# Altium PCB DM3370.PcbDoc (part 7 of 9)
Units mm, origin at the board's own origin, x right, y up, seen from the top; angles counter-clockwise.
Board outline 114.8 x 103.43 mm, 6 copper layers (Top Copper, GND 1, PWR, Signal Layer 1, GND 2, Bottom Copper), stack 1.599 mm thick; 540 components, 427 nets, 2136 pads, 1770 vias.
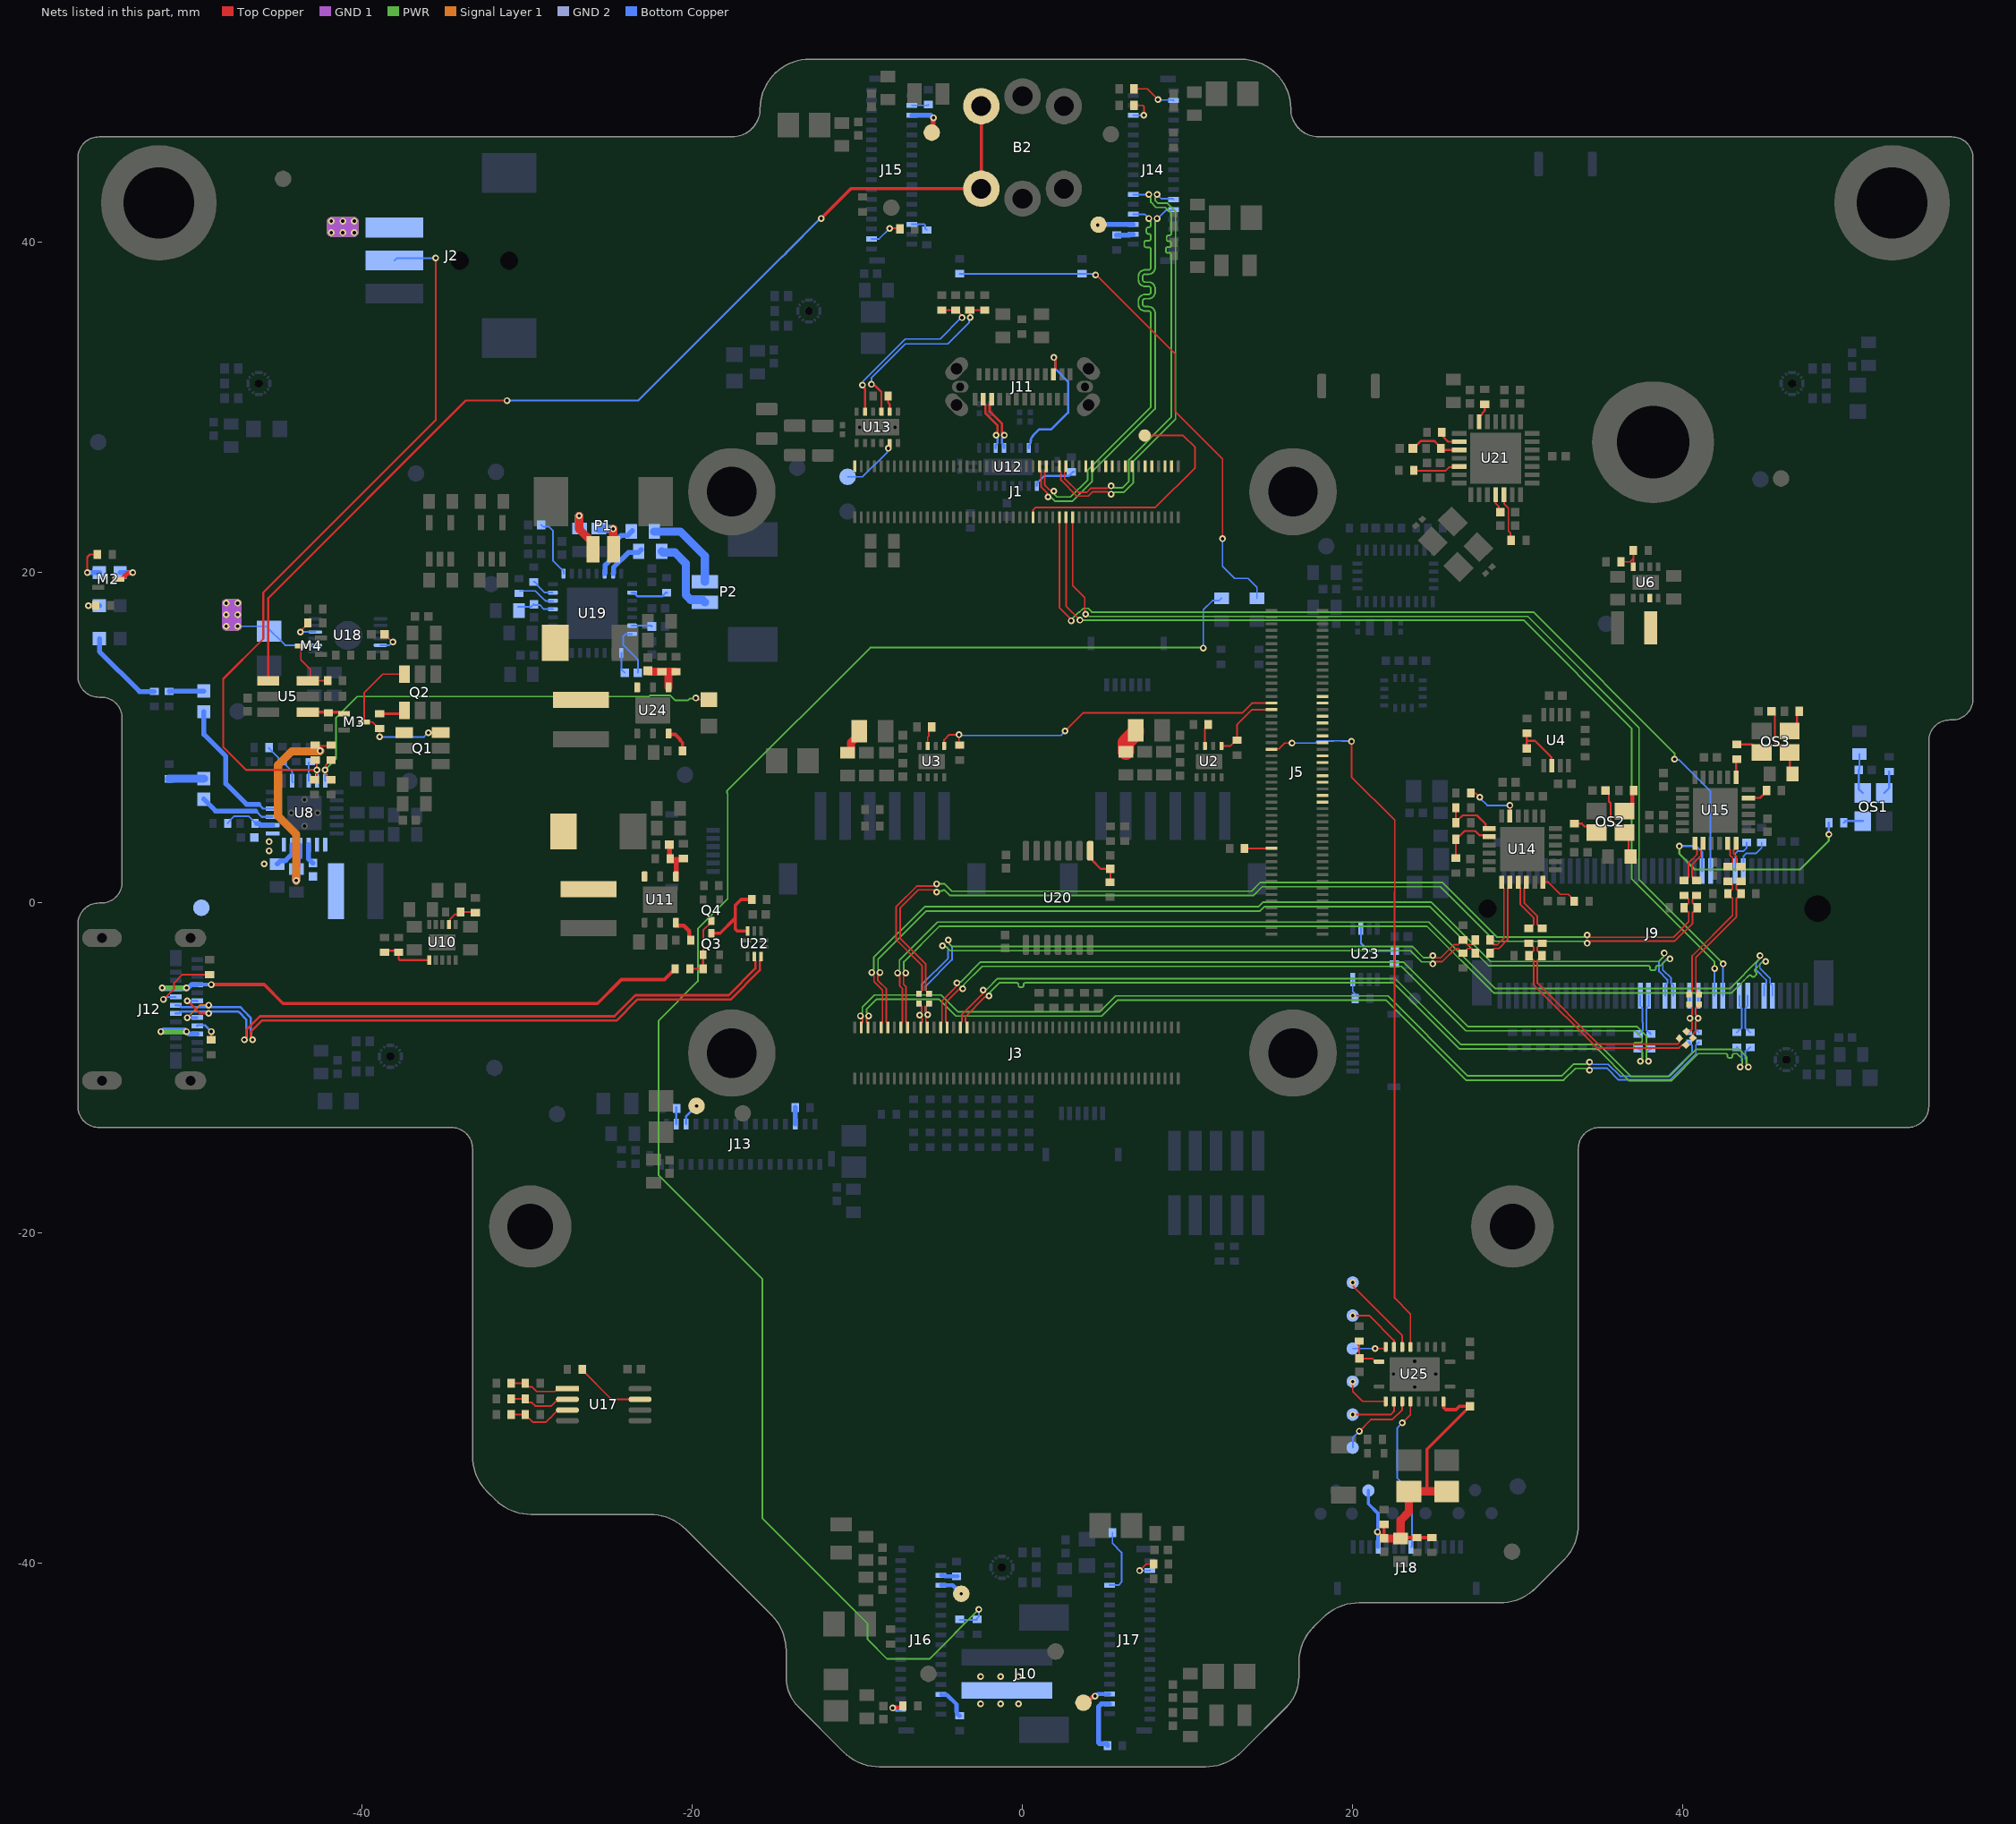
[diagram p11: the nets of this part, all layers, seen from the top]

## Via types
v1: diameter 0.406, hole 0.203, Top Copper to Bottom Copper, tented both sides, 1733 vias
v2: diameter 0.508, hole 0.254, Top Copper to Bottom Copper, 16 vias
v3: diameter 0.5, hole 0.2, Top Copper to Bottom Copper, 13 vias
v4: diameter 0.6, hole 0.3, Top Copper to Bottom Copper, 6 vias
v5: diameter 0.406, hole 0.203, Top Copper to Bottom Copper, 2 vias

## Nets (pads, with @x,y where several pads share a name; then routed paths per layer and width w, separated by ;. In a path a pad name is that pad's centre, name@x,y a point inside that pad or via, vN(x,y) a via of type N, cw(c..) or ccw(c..) an arc to the next point about the centre after c; other vN are vias at no path point) (continued)
MIPI_RX5_D0_N: J1.59 J14.26 | length 26.1
  Top Copper w0.101: J1.59@1.432,26.439 1.432,26.179 1.346,26.093 1.346,25.292 1.646,24.992 1.835,24.992 v1(1.89,24.936)
  PWR w0.101: v1(1.89,24.936) 1.949,24.878 1.949,24.712 2.08,24.581 2.911,24.581 3.95,25.62 3.95,26.2 7.772,30.022 7.772,35.523 7.772,35.704 ccw(c7.627,35.704) 7.627,35.848 7.424,35.848 cw(c7.424,36.254) 7.019,36.254 7.019,36.446 cw(c7.424,36.446) 7.424,36.851 7.628,36.851 ccw(c7.628,36.996) 7.773,36.996 7.773,37.188 ccw(c7.628,37.188) 7.628,37.333 7.424,37.333 cw(c7.424,37.738) 7.019,37.738 7.019,37.931 cw(c7.424,37.931) 7.424,38.336 7.627,38.336 ccw(c7.627,38.481) 7.772,38.481 7.772,39.512 7.772,39.529 7.772,39.579 ccw(c7.65,39.579) 7.65,39.701 7.493,39.701 cw(c7.493,39.822) 7.372,39.822 7.372,39.984 cw(c7.493,39.984) 7.493,40.106 7.65,40.106 ccw(c7.65,40.227) 7.772,40.227 7.772,40.39 ccw(c7.65,40.39) 7.65,40.511 7.623,40.511 cw(c7.623,40.633) 7.502,40.633 7.502,40.795 cw(c7.623,40.795) 7.623,40.916 7.65,40.916 ccw(c7.65,41.038) 7.772,41.038 7.772,41.25 7.655,41.367 v1(7.655,41.45)
  Bottom Copper w0.101: J14.26@6.7,41.7 7.403,41.7 7.653,41.45 v1(7.655,41.45)
MIPI_RX5_D0_P: J1.57 J14.25 | length 26.3
  Top Copper w0.101: J1.57@1.032,26.439 1.032,26.179 1.118,26.093 1.118,25.197 1.485,24.83 1.485,24.641 v1(1.54,24.586)
  PWR w0.101: v1(1.54,24.586) 1.599,24.528 1.764,24.528 1.972,24.32 3.019,24.32 4.211,25.512 4.211,26.092 8.033,29.914 8.033,35.523 8.033,35.704 ccw(c7.627,35.704) 7.627,36.109 7.424,36.109 cw(c7.424,36.254) 7.28,36.254 7.28,36.446 cw(c7.424,36.446) 7.424,36.59 7.628,36.59 ccw(c7.628,36.996) 8.034,36.996 8.034,37.188 ccw(c7.628,37.188) 7.628,37.594 7.424,37.594 cw(c7.424,37.738) 7.28,37.738 7.28,37.931 cw(c7.424,37.931) 7.424,38.075 7.627,38.075 ccw(c7.627,38.481) 8.033,38.481 8.033,39.512 8.033,41.25 8.15,41.367 v1(8.15,41.45) v1@8.195,41.495
  Bottom Copper w0.101: v1(8.15,41.45) 8.184,41.45 8.673,41.939 9.097,41.939 J14.25@9.15,41.993
MIPI_RX5_D1_N: J1.65 J14.22 | length 26.5
  Top Copper w0.101: J1.65@2.632,26.439 2.632,26.179 2.546,26.093 2.546,25.7 3.38,24.866 3.894,24.866 4.143,25.115 5.152,25.115 5.285,25.249 v1(5.364,25.249)
  PWR w0.101: v1(5.364,25.249) 5.446,25.249 5.563,25.132 6.033,25.132 6.439,25.538 6.439,26.839 9.01,29.41 9.01,39.203 9.01,39.254 ccw(c8.904,39.254) 8.904,39.36 8.785,39.36 cw(c8.785,39.466) 8.679,39.466 8.679,39.608 cw(c8.785,39.608) 8.785,39.714 8.904,39.714 ccw(c8.904,39.821) 9.01,39.821 9.01,39.962 ccw(c8.904,39.962) 8.904,40.069 8.832,40.069 cw(c8.832,40.175) 8.725,40.175 8.725,40.317 cw(c8.832,40.317) 8.832,40.423 8.904,40.423 ccw(c8.904,40.529) 9.01,40.529 9.01,40.785 9.01,41.755 8.643,42.121 8.088,42.121 7.772,42.437 7.772,42.7 7.655,42.817 v1(7.655,42.9)
  Bottom Copper w0.101: J14.22@6.7,42.885 6.715,42.9 v1(7.655,42.9)
MIPI_RX5_D1_P: J1.63 J14.23 | length 26.6
  Top Copper w0.101: J1.63@2.232,26.439 2.232,26.179 2.318,26.093 2.318,25.606 3.285,24.638 3.988,24.638 4.237,24.887 5.152,24.887 5.285,24.754 v1(5.364,24.754)
  PWR w0.101: v1(5.364,24.754) 5.446,24.754 5.563,24.871 6.141,24.871 6.7,25.43 6.7,26.731 9.271,29.302 9.271,41.863 8.751,42.382 8.196,42.382 8.033,42.545 8.033,42.7 8.15,42.817 v1(8.15,42.9)
  Bottom Copper w0.101: v1(8.15,42.9) 8.404,42.646 9.097,42.646 J14.23@9.15,42.593
MIPI_TX0_C_N: J1.85
MIPI_TX0_C_P: J1.83
MIPI_TX0_D0_N: J1.73
MIPI_TX0_D0_P: J1.71
MIPI_TX0_D1_N: J1.79
MIPI_TX0_D1_P: J1.77
MIPI_TX1_D0_N: J1.91
MIPI_TX1_D0_P: J1.89
MIPI_TX1_D1_N: J1.97
MIPI_TX1_D1_P: J1.95
MIPI_TX2_C_N: J5.41
MIPI_TX2_C_P: J5.39
MIPI_TX2_D0_N: J5.29
MIPI_TX2_D0_P: J5.27
MIPI_TX2_D1_N: J5.35
MIPI_TX2_D1_P: J5.33
MIPI_TX3_C_N: J5.59
MIPI_TX3_C_P: J5.57
MIPI_TX3_D0_N: J5.47
MIPI_TX3_D0_P: J5.45
MIPI_TX3_D1_N: J5.53
MIPI_TX3_D1_P: J5.51
NetB2_1: B2.1 B2.2 U5.1 | length 63.5
  Top Copper w0.127: U5.1@-45.7,13.45 -45.7,18.45 -33.73,30.42 v1(-31.233,30.42)
  Top Copper w0.2: v1(-12.2,41.45) -10.4,43.25 B2.2@-2.5,43.25 B2.1@-2.5,48.25
  Bottom Copper w0.127: v1(-31.233,30.42) -23.28,30.42 -14.568,39.132 -14.547,39.132 -14.332,39.347 -14.332,39.368 v1@-12.225,41.475
NetC7_2: C7.2 R23.1 | length 1.5
  Top Copper w1: R23.1@6.25,9.15 6.25,9.7 6.85,10.3 C7.2@6.85,10.45
NetC12_2: C12.2 R26.1 | length 1.6
  Top Copper w0.5: R26.1@-10.6,9.1 -10.5,9.1 -10.4,9.2 -10.4,9.7 -9.9,10.2 C12.2@-9.9,10.4
NetC19_2: C19.2 FB20.2 OS1.4 | length 2.5
  Bottom Copper w0.127: FB20.2@50.7,9.01 50.7,8.1 C19.2@50.65,8.05 50.65,6.9 OS1.4@50.9,6.65
NetC22_2: C22.2 R51.1 U4.6 | length 3.3
  Top Copper w0.127: C22.2@30.55,9.35 30.55,9.807 ; R51.1@30.55,10.263 30.55,9.807 ; U4.6@32.075,8.3 32.034,8.341 32.034,8.816 31.043,9.807 30.55,9.807
NetC41_2: C41.2 R53.1 R56.2 U11.4 | length 2.5
  Top Copper w0.3: C41.2@-21.4,3.525 -21.375,3.5 -21.375,2.7 -21.3,2.625 -20.971,2.625 ; U11.4@-21,1.596 U11.4@-20.975,1.621 ; U11.4@-20.975,1.854 -20.971,1.858 -20.971,2.625 ; R56.2@-20.55,2.675 -20.6,2.625 -20.971,2.625
NetC66_1: C66.1 FB3.1 OS3.4 | length 4.5
  Top Copper w0.127: C66.1@45.375,11.6 45.571,11.404 45.571,9.704 45.738,9.537 46.038,9.537 OS3.4@46.475,9.1 46.475,8.125 FB3.1@46.776,7.824
NetC118_1: C118.1 U8.21 | length 1.2
  Bottom Copper w0.3: U8.21@-43.25,3.515 -43.25,2.65 C118.1@-43,2.4
NetC118_2: C118.2 L2.1 U8.19 U8.20
NetC121_2: C121.2 P1.1 | length 2.1
  Top Copper w0.5: v1(-24.8,22.65) -24.8,21.425 P1.1@-24.775,21.4
  Bottom Copper w0.5: C121.2@-25.671,22.673 -25.648,22.65 v1(-24.8,22.65)
NetC122_2: C122.2 P1.2 | length 3.2
  Top Copper w0.5: v1(-26.857,23.437) -26.857,22.632 -26.025,21.8 P1.2@-26.025,21.4 P1.2@-26,21.375
  Bottom Copper w0.5: v1(-26.857,23.437) -26.857,22.691 C122.2@-26.839,22.673
NetC123_2: C123.2 P2.1 | length 5.2
  Bottom Copper w0.5: C123.2@-22.307,22.487 -20.737,22.487 -19.25,21 P2.1@-19.25,19.45
NetC124_2: C124.2 P2.2 | length 5
  Bottom Copper w0.5: C124.2@-21.857,21.287 -21.787,21.217 -21.067,21.217 -20.4,20.55 -20.4,19.997 -20.402,19.996 -20.402,18.644 -20.107,18.35 -19.4,18.35 P2.2@-19.25,18.2
NetC125_1: C125.1 U19.1 | length 1.3
  Bottom Copper w0.102: U19.1@-24.307,15.137 -24.307,14.137 C125.1@-24.107,13.937
NetC125_2: C125.2 U19.31 | length 3.2
  Bottom Copper w0.102: U19.31@-23.657,16.287 -23.663,16.282 -24.05,16.282 -24.195,16.137 -24.195,15.629 -23.307,14.741 C125.2@-23.307,13.937
NetC126_2: C126.2 U19.30 | length 1.2
  Bottom Copper w0.127: U19.30@-23.657,16.787 -22.507,16.787 C126.2@-22.457,16.737
NetC127_2: C127.2 C128.2 U19.13 | length 2.3
  Bottom Copper w0.102: C127.2@-30.557,17.937 -29.757,17.937 C128.2@-29.607,18.087 -29.557,18.037 -29.257,18.037 -29.007,17.787 U19.13@-28.457,17.787
NetC129_2: C129.2 U19.17 | length 3.7
  Bottom Copper w0.102: C129.2@-29.157,22.887 -29.057,22.787 -28.707,22.787 -28.457,22.537 -28.457,20.73 -27.907,20.179 -27.88,20.179 -27.807,20.106 U19.17@-27.807,19.937
NetC141_1: C141.1 U18.5 | length 1.5
  Top Copper w0.102: C141.1@-38.65,16.25 -38.2,15.8 v1(-38.15,15.8)
  Bottom Copper w0.102: U18.5@-38.9,15.6 -38.359,15.6 -38.259,15.701 -38.249,15.701 v1(-38.15,15.8)
NetC160_2: C160.2 R176.1 U23.6 | length 4.1
  Bottom Copper w0.127: U23.6@20.5,-1.55 20.5,-2.45 20.95,-2.9 C160.2@22.55,-2.9 22.55,-3.538 22.661,-3.65 R176.1@22.527,-3.65
NetC162_1: C162.1 U8.23 | length 1.7
  Bottom Copper w0.3: C162.1@-45.15,2.35 -44.95,2.55 -44.656,2.55 -44.25,2.956 U8.23@-44.25,3.515
NetC163_2: C163.2 R62.1 R72.2 U24.4 | length 2.6
  Top Copper w0.5: C163.2@-22.7,14.05 -22.65,14 R62.1@-21.85,14 -21.45,14 ; U24.4@-21.45,13.05 -21.45,14 ; R72.2@-21.025,14 -21.45,14
NetC167_2: C167.2 R92.1 U20.8 | length 2.7
  Top Copper w0.127: U20.8@4.1,3.15 4.214,3.036 4.214,2.578 4.732,2.06 C167.2@5.309,2.06 ; R92.1@5.325,1.25 C167.2@5.325,2.06
NetC170_2: C170.2 R179.1 U25.10 | length 2.3
  Top Copper w0.102: R179.1@20.4,-26.55 C170.2@20.4,-27.6 21.194,-27.6 21.394,-27.8 U25.10@21.6,-27.8
NetD1_2: D1.2 R3.1 | length 5.1
  Bottom Copper w0.3: D1.2@-55.925,16 -55.925,15.225 -53.5,12.8 R3.1@-52.6,12.8
NetD2_1: D2.1 M2.3 | length 1.8
  Top Copper w0.3: M2.3@-54.78,19.6 -54.575,19.6 -54.195,19.98 -53.92,19.98 v1(-53.9,20)
  Bottom Copper w0.3: D2.1@-54.675,20 v1(-53.9,20)
NetD2_2: D2.2 R4.1 | length 2.4
  Top Copper w0.127: v1(-56.66,20) -56.66,20.94 -56.5,21.1 R4.1@-56.05,21.1
  Bottom Copper w0.3: v1(-56.66,20) D2.2@-55.925,20
NetD3_1: D3.1 U8.3 | length 4.6
  Bottom Copper w0.127: -46.449,5.561 -46.088,5.2 U8.3@-45.45,5.2
  Bottom Copper w0.3: D3.1@-49.6,6.275 -48.886,5.561 -46.449,5.561
NetD3_2: D3.2 R68.2 | length 2.1
  Bottom Copper w0.5: R68.2@-51.7,7.5 -51.688,7.512 -49.612,7.512 D3.2@-49.6,7.525
NetD4_2: D4.2 L10.2 U24.6
NetD6_1: D6.1 U8.4 | length 8.4
  Bottom Copper w0.127: -46.278,5.967 -46.011,5.7 U8.4@-45.435,5.7
  Bottom Copper w0.3: D6.1@-49.6,11.575 -49.6,10.2 -48.266,8.866 -48.266,7.215 -47.014,5.962 -46.283,5.962 -46.278,5.967
NetD6_2: D6.2 R74.2 | length 2.1
  Bottom Copper w0.3: R74.2@-51.7,12.8 -51.688,12.812 -49.613,12.812 D6.2@-49.6,12.825
NetD7_2: D7.2 L3.2 U11.6
NetD8_2: D8.2 R196.1 | length 1.1
  Top Copper w0.102: v1(-56.6,18) R196.1@-56.15,18
  Bottom Copper w0.3: v1(-56.6,18) D8.2@-55.925,18
NetJ2_1: J2.1 R71.2 U18.8 | length 50.1
  GND 1 w0.5: -47.946,16.75 v1(-47.55,16.75) v1(-47.55,17.45) v1(-47.55,18.15) -47.918,18.15 ; -47.946,16.75 v1(-48.25,16.75) v1(-48.25,17.45) v1(-48.25,18.15) -47.918,18.15 ; -47.946,16.75 -47.918,16.779 -47.918,18.15 ; -41.883,40.899 -40.493,40.899 -40.483,40.89 ; -41.883,40.899 v1(-41.883,41.287) v1(-41.183,41.287) v1(-40.483,41.287) -40.483,40.89 ; -41.883,40.899 v1(-41.883,40.587) v1(-41.183,40.587) v1(-40.483,40.587) -40.483,40.89
  PWR w0.5: -47.946,16.75 -47.946,18.136 -47.932,18.15 ; -47.946,16.75 v1(-47.55,16.75) v1(-47.55,17.45) v1(-47.55,18.15) -47.932,18.15 ; -47.946,16.75 v1(-48.25,16.75) v1(-48.25,17.45) v1(-48.25,18.15) -47.932,18.15 ; -41.883,40.899 v1(-41.883,41.287) v1(-41.183,41.287) v1(-40.483,41.287) -40.483,40.953 ; -41.883,40.899 v1(-41.883,40.587) v1(-41.183,40.587) v1(-40.483,40.587) -40.483,40.953 ; -41.883,40.899 -41.83,40.953 -40.483,40.953
  Signal Layer 1 w0.5: -47.941,16.75 v1(-47.55,16.75) v1(-47.55,17.45) v1(-47.55,18.15) -47.875,18.15 ; -47.941,16.75 v1(-48.25,16.75) v1(-48.25,17.45) v1(-48.25,18.15) -47.875,18.15 ; -47.941,16.75 -47.875,16.817 -47.875,18.15 ; -41.883,40.902 -40.572,40.902 -40.483,40.99 ; -41.883,40.902 v1(-41.883,41.287) v1(-41.183,41.287) v1(-40.483,41.287) -40.483,40.99 ; -41.883,40.902 v1(-41.883,40.587) v1(-41.183,40.587) v1(-40.483,40.587) -40.483,40.99
  GND 2 w0.5: -47.927,16.75 v1(-47.55,16.75) v1(-47.55,17.45) v1(-47.55,18.15) -47.908,18.15 ; -47.927,16.75 v1(-48.25,16.75) v1(-48.25,17.45) v1(-48.25,18.15) -47.908,18.15 ; -47.927,16.75 -47.927,18.131 -47.908,18.15 ; -41.883,40.94 v1(-41.883,41.287) v1(-41.183,41.287) v1(-40.483,41.287) -40.483,40.981 ; -41.883,40.94 v1(-41.883,40.587) v1(-41.183,40.587) v1(-40.483,40.587) -40.483,40.981 ; -41.883,40.94 -41.842,40.981 -40.483,40.981
  Bottom Copper w0.102: v1(-47.55,16.75) -45.825,16.75 -44.675,15.6 U18.8@-42.86,15.6
NetJ9_50: J9.50 R43.2 | length 14.4
  PWR w0.127: v1(39.785,3.431) 39.785,2.964 40.729,2.02 47.106,2.02 48.85,3.764 v1(48.85,4.15)
  Bottom Copper w0.127: v1(39.785,3.431) 40.811,3.431 41.175,3.067 J9.50@41.175,1.925 ; v1(48.85,4.15) R43.2@48.85,4.85
NetJ9_58: J9.58 R47.1 | length 2.2
  Bottom Copper w0.102: J9.58@43.175,1.925 43.175,2.975 43.338,3.138 43.687,3.138 43.875,3.325 R47.1@43.875,3.65
NetJ9_60: J9.60 R49.1 | length 2.5
  Bottom Copper w0.102: J9.60@43.675,1.925 43.675,2.825 43.85,3 44.45,3 44.775,3.325 R49.1@44.775,3.65
NetJ13_6: J13.6 R125.1 | length 1
  Bottom Copper w0.3: J13.6@-13.775,-13.4 R125.1@-13.775,-12.4
NetJ13_30: J13.30 R124.2 | length 1
  Bottom Copper w0.127: J13.30@-20.975,-13.4 R124.2@-20.975,-12.395
NetJ14_3: J14.3 R159.2 | length 2.7
  Top Copper w0.102: R159.2@6.75,49.3 7.55,49.3 v1(8.2,48.65)
  Bottom Copper w0.102: v1(8.2,48.65) 8.229,48.621 9.121,48.621 J14.3@9.15,48.593
NetJ14_6: J14.6 R129.1 | length 1.8
  Top Copper w0.102: R129.1@6.75,48.3 7.29,48.3 7.35,48.24 v1(7.35,47.7)
  Bottom Copper w0.102: J14.6@6.7,47.7 v1(7.35,47.7)
NetJ14_28: J14.28 TP6.1 | length 2.2
  Bottom Copper w0.3: v1(4.55,41.05) 4.579,41.05 4.629,41.1 J14.28@6.7,41.1
NetJ14_30: J14.30 R127.2 | length 1
  Bottom Copper w0.3: R127.2@5.7,40.45 6.475,40.45 6.525,40.5 J14.30@6.7,40.5
NetJ15_3: J15.3 R160.2 | length 2
  Top Copper w0.102: v1(-8.05,40.85) -7.464,40.85 R160.2@-7.432,40.818
  Bottom Copper w0.102: J15.3@-9.15,40.207 -8.693,40.207 v1(-8.05,40.85)
NetJ15_6: J15.6 R130.1 | length 1.2
  Bottom Copper w0.102: J15.6@-6.7,41.1 -5.96,41.1 -5.9,41.04 -5.9,40.85 R130.1@-5.8,40.75
NetJ15_28: J15.28 TP7.1 | length 2.3
  Top Copper w0.3: TP7.1@-5.5,46.65 -5.42,46.73 -5.42,47.53 v1(-5.4,47.55)
  Bottom Copper w0.3: J15.28@-6.7,47.7 -5.579,47.7 -5.429,47.55 v1(-5.4,47.55)
NetJ15_30: J15.30 R128.2 | length 1
  Bottom Copper w0.102: J15.30@-6.7,48.3 -5.75,48.3 R128.2@-5.7,48.35
NetJ16_3: J16.3 R161.2 | length 1.2
  Top Copper w0.245: v1(-7.873,-48.773) -7.842,-48.742 -7.317,-48.742 R161.2@-7.263,-48.687
  Bottom Copper w0.245: v1(-7.873,-48.773) -7.829,-48.773 -7.794,-48.808 -7.59,-48.808 -7.562,-48.835 J16.3@-7.387,-48.835
NetJ16_6: J16.6 R138.1 | length 2
  Bottom Copper w0.25: J16.6@-4.938,-47.942 -4.913,-47.967 -4.583,-47.967 -4,-48.55 -4,-48.993 -3.95,-49.043 -3.95,-49.139 -3.85,-49.239 R138.1@-3.8,-49.239
NetJ16_28: J16.28 TP10.1 | length 1.4
  Bottom Copper w0.25: J16.28@-4.938,-41.342 -4.22,-41.342 v1(-3.713,-41.85)
NetJ16_30: J16.30 R136.2 | length 1
  Bottom Copper w0.25: J16.30@-4.938,-40.742 -4.763,-40.742 -4.705,-40.8 R136.2@-3.938,-40.8
NetJ17_3: J17.3 R162.2 | length 1.6
  Top Copper w0.102: v1(7.087,-40.45) 7.487,-40.05 R162.2@7.937,-40.05
  Bottom Copper w0.102: v1(7.087,-40.45) 7.095,-40.442 7.705,-40.442 J17.3@7.713,-40.435
NetJ17_6: J17.6 R139.1 | length 4
  Bottom Copper w0.102: J17.6@5.263,-41.328 5.822,-41.328 6,-41.15 6,-39.35 5.45,-38.8 R139.1@5.45,-38.15
NetJ17_28: J17.28 TP11.1 | length 1.8
  Top Copper w0.25: TP11.1@3.687,-48.45 3.89,-48.45 4.261,-48.08 4.358,-48.08 v1(4.387,-48.05)
  Bottom Copper w0.25: v1(4.387,-48.05) 4.43,-48.05 4.552,-47.928 J17.28@5.263,-47.928
NetJ17_30: J17.30 R137.2 | length 3.6
  Bottom Copper w0.3: R137.2@5.15,-51.05 5.15,-51 5.075,-50.925 4.651,-50.925 4.6,-50.874 4.6,-48.703 4.776,-48.528 J17.30@5.263,-48.528
NetL1_1: L1.1 U6.7 | length 0.1
  Top Copper w0.5: L1.1@38,16.7 L1.1@38.05,16.65
NetM3_1: M3.1 R66.2 U5.4 | length 2.2
  Top Copper w0.2: U5.4@-43.3,11.55 -41.415,11.55 -41.315,11.45 M3.1@-41.11,11.45
NetM3_3: M3.3 Q1.3 Q2.3 R57.2 | length 10.1
  Top Copper w0.102: v1(-38.95,10.05) R57.2@-38.95,10.55 -39,10.55 -39.174,10.724 -39.174,10.742 -39.382,10.95 M3.3@-39.89,10.95 -39.89,12.71 -38.75,13.85 Q2.3@-37.45,13.85 ; v1(-36.001,10.299) Q1.3@-35.251,10.299
  Bottom Copper w0.102: v1(-38.95,10.05) -36.255,10.05 -36.005,10.299 v1(-36.001,10.299)
NetM4_3: M4.3 R61.1 U5.6 | length 3.6
  Top Copper w0.102: M4.3@-43.72,15.55 -43.72,14.72 -43.15,14.15 -43.15,13.6 U5.6@-43.3,13.45 R61.1@-42.1,13.45
NetOS1_1: OS1.1 R39.1 | length 1.4
  Bottom Copper w0.127: OS1.1@52.2,6.65 52.5,6.95 R39.1@52.5,7.95
NetOS1_3: OS1.3 R43.1 | length 1.2
  Bottom Copper w0.127: R43.1@49.75,4.85 49.85,4.95 OS1.3@50.9,4.95
NetOS3_1: OS3.1 R112.1 | length 1.5
  Top Copper w0.127: OS3.1@46.475,10.4 OS3.1@46.475,10.4 46.913,10.837 46.913,11.388 47.081,11.556 R112.1@47.081,11.606
NetOS3_3: OS3.3 R113.1 | length 1.9
  Top Copper w0.127: R113.1@43.064,9.6 44.175,9.6 44.675,9.1 OS3.3@44.775,9.1
NetQ1_4: Q1.4 Q2.4 R57.1 | length 1.6
  Top Copper w0.14: R57.1@-38.95,11.45 -37.65,11.45 Q2.4@-37.45,11.65
NetQ3_1: Q3.1 Q4.3 R168.2 R174.2 | length 3.9
  Top Copper w0.102: Q3.1@-19.35,-3.1 -19.35,-1.655 -18.85,-1.155 Q4.3@-18.85,-1.1
  Top Copper w0.127: R168.2@-20.15,-4 R174.2@-19.35,-4 Q3.1@-19.35,-3.15
NetQ3_3: Q3.3 R90.2 U22.10 | length 5.2
  Top Copper w0.2: Q3.3@-18.85,-1.85 -18.328,-1.85 -17.416,-0.938 ; -17.396,-1.596 -17.396,-0.143 -17.052,0.2 R90.2@-16.4,0.2 ; -17.382,-1.61 -17.278,-1.713 U22.10@-16.65,-1.713
NetR24_2: R24.2 U2.7 | length 1.3
  Top Copper w0.102: U2.7@11.05,9.6 11.05,10.55 11.25,10.75 R24.2@11.25,10.8
NetR28_2: R28.2 U3.7 | length 1.3
  Top Copper w0.102: U3.7@-5.75,9.5 -5.75,10.024 -5.674,10.101 -5.674,10.476 R28.2@-5.5,10.65
NetR59_1: R59.1 R60.2 U6.4 | length 1.8
  Top Copper w0.102: R59.1@36.25,20.65 36.8,20.65 37,20.85 ; U6.4@37,20.35 37,20.85 ; R60.2@37,21.35 37,20.85
NetR63_1: R63.1 U24.3 | length 1.6
  Top Copper w0.2: U24.3@-21.45,10.25 -21.4,10.2 -21.05,10.2 -20.75,9.9 -20.75,9.85 -20.6,9.7 R63.1@-20.6,9.2
NetR64_1: R64.1 R65.2 U10.1 | length 3.2
  Top Copper w0.127: R65.2@-38.65,-2.9 -37.9,-2.9 R64.1@-37.8,-3 -37.8,-3.405 -37.726,-3.48 U10.1@-35.95,-3.48
NetR67_2: R67.2 R69.1 U10.7 | length 2.1
  Top Copper w0.102: U10.7@-34.75,-1.321 -34.674,-1.245 -34.674,-0.99 -34.368,-0.684 -34.184,-0.684 R67.2@-34.05,-0.55 -33.2,-0.55 R69.1@-33.15,-0.6
NetR76_1: R76.1 U11.3 | length 1.7
  Top Copper w0.25: U11.3@-21,-1.204 -21,-1.329 -20.95,-1.379 -20.521,-1.379 -20.2,-1.7 -20.2,-2.175 R76.1@-20.1,-2.275
NetR79_1: R79.1 U12.2 | length 2.7
  Bottom Copper w0.127: U12.2@0.875,25.25 0.875,25.425 1.31,25.86 2.814,25.86 2.888,25.934 2.888,25.939 3.05,26.1 R79.1@3.129,26.1
NetR81_2: R81.2 R82.2 U13.9 | length 11.5
  Top Copper w0.102: R82.2@-3.222,35.86 -3.174,35.833 -3.177,35.83 v1(-3.177,35.445) ; R82.2@-3.2,35.9 R82.2@-3.107,35.9 ; R82.2@-3.175,35.832 R82.2@-3.107,35.9 ; R81.2@-2.3,35.9 R82.2@-3.107,35.9
  Top Copper w0.127: v1(-9.15,31.4) -9.097,31.347 -8.954,31.347 -8.55,30.943 U13.9@-8.55,29.75
  Bottom Copper w0.102: v1(-9.15,31.4) -9.15,31.8 -7.1,33.85 -4.525,33.85 -3.235,35.141 -3.235,35.387 v1(-3.177,35.445)
NetR83_2: R83.2 R84.2 U13.11 | length 11
  Top Copper w0.102: R84.2@-4.9,35.9 -4,35.9 -3.731,35.631 -3.731,35.502 v1(-3.673,35.443)
  Top Copper w0.127: v1(-9.693,31.356) -9.693,31.28 -9.55,31.137 U13.11@-9.55,29.75
  Bottom Copper w0.102: v1(-9.693,31.356) -9.648,31.401 -9.648,31.61 -7.108,34.15 -4.995,34.15 -3.702,35.443 v1(-3.673,35.443)
NetR85_2: R85.2 U13.8 | length 1
  Top Copper w0.127: R85.2@-8.15,30.7 -8.15,30.3 -8.05,30.2 U13.8@-8.05,29.75
NetR86_1: R86.1 U21.16 | length 1.3
  Top Copper w0.127: R86.1@25.324,28.376 25.773,27.927 U21.16@26.452,27.927
NetR87_1: R87.1 U21.13 | length 1.3
  Top Copper w0.127: U21.13@27.662,29.137 27.662,29.437 27.743,29.519 27.777,29.519 27.852,29.593 27.852,29.65 28,29.799 R87.1@28,30.25
NetR88_1: R88.1 U21.26 | length 2.9
  Top Copper w0.102: U21.26@29.167,24.711 29.167,24.169 29.437,23.898 29.437,22.527 29.55,22.414 R88.1@29.55,22
NetR89_1: R89.1 U21.19 | length 2.9
  Top Copper w0.102: R89.1@23.7,26.2 23.728,26.172 25.638,26.172 25.854,26.388 26.412,26.388 U21.19@26.452,26.427
NetR113_2: R113.2 U15.1 | length 1.1
  Top Copper w0.127: U15.1@43.225,7.6 R113.2@43.225,8.7
NetR119_1: R119.1 U15.23 | length 1.3
  Top Copper w0.127: U15.23@43.975,6.35 44.675,6.35 45.075,6.75 R119.1@45.075,6.8
NetR133_1: R133.1 R134.1 R135.1 | length 32.4
  Top Copper w0.102: v1(4.425,38.025) 4.473,38.025 9.24,33.259 9.24,29.759 12.117,26.882 v1(12.117,22.05)
  Bottom Copper w0.102: R134.1@-3.8,38.1 4.268,38.1 4.343,38.025 v1(4.425,38.025) ; v1(12.117,22.05) 12.117,20.383 12.85,19.65 13.65,19.65 14.2,19.1 R135.1@14.2,18.45
NetR142_1: R142.1 R143.1 R144.1 | length 104.7
  PWR w0.102: v1(-2.65,-42.8) -5.65,-45.8 -8.2,-45.8 -9.4,-44.6 -9.4,-43.644 -15.765,-37.279 -15.765,-22.782 -22.042,-16.505 -22.042,-7.13 -19.67,-4.758 -19.67,-1.574 -17.863,0.232 -17.863,6.622 -17.913,6.672 -17.913,6.765 -9.225,15.454 10.925,15.454 v1(10.95,15.429)
  Bottom Copper w0.102: R142.1@-3.821,-43.435 -2.785,-43.435 R143.1@-2.75,-43.4 ; R143.1@-2.787,-43.363 -2.65,-43.226 v1(-2.65,-42.8) ; v1(10.95,15.429) 10.95,17.75 11.507,18.307 11.907,18.307 R144.1@12.05,18.45
NetR146_1: R146.1 R150.2 U17.1 | length 3.7
  Top Copper w0.102: R150.2@-30.975,-29.1 R146.1@-30.125,-29.1 ; R146.1@-30.125,-29.1 -30.125,-29.15 -29.951,-29.324 -29.717,-29.324 -29.441,-29.6 -28.339,-29.6 U17.1@-28.114,-29.375 ; U17.1@-28.1,-29.425 U17.1@-27.575,-29.425